# Altium PCB PCB1.PcbDoc
Units mil, origin at the board's own origin, x right, y up, seen from the top; angles counter-clockwise.
Board outline 1640 x 780 mil, 2 copper layers (Top Layer, Bottom Layer); 15 components, 19 nets, 63 pads, 24 vias.
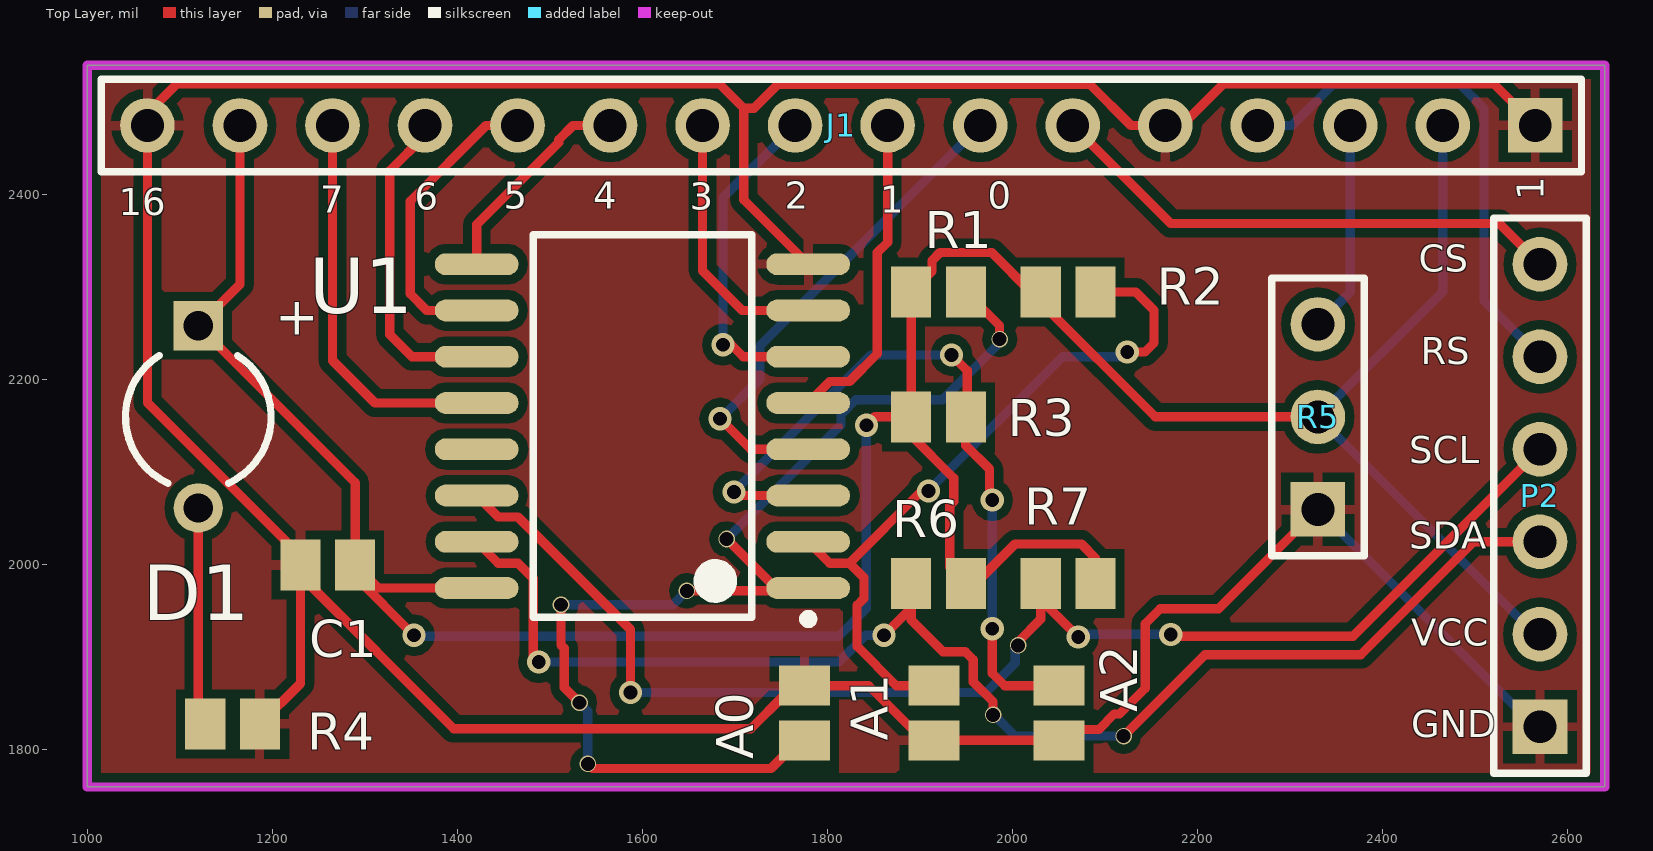
[diagram p0: Top Layer view]
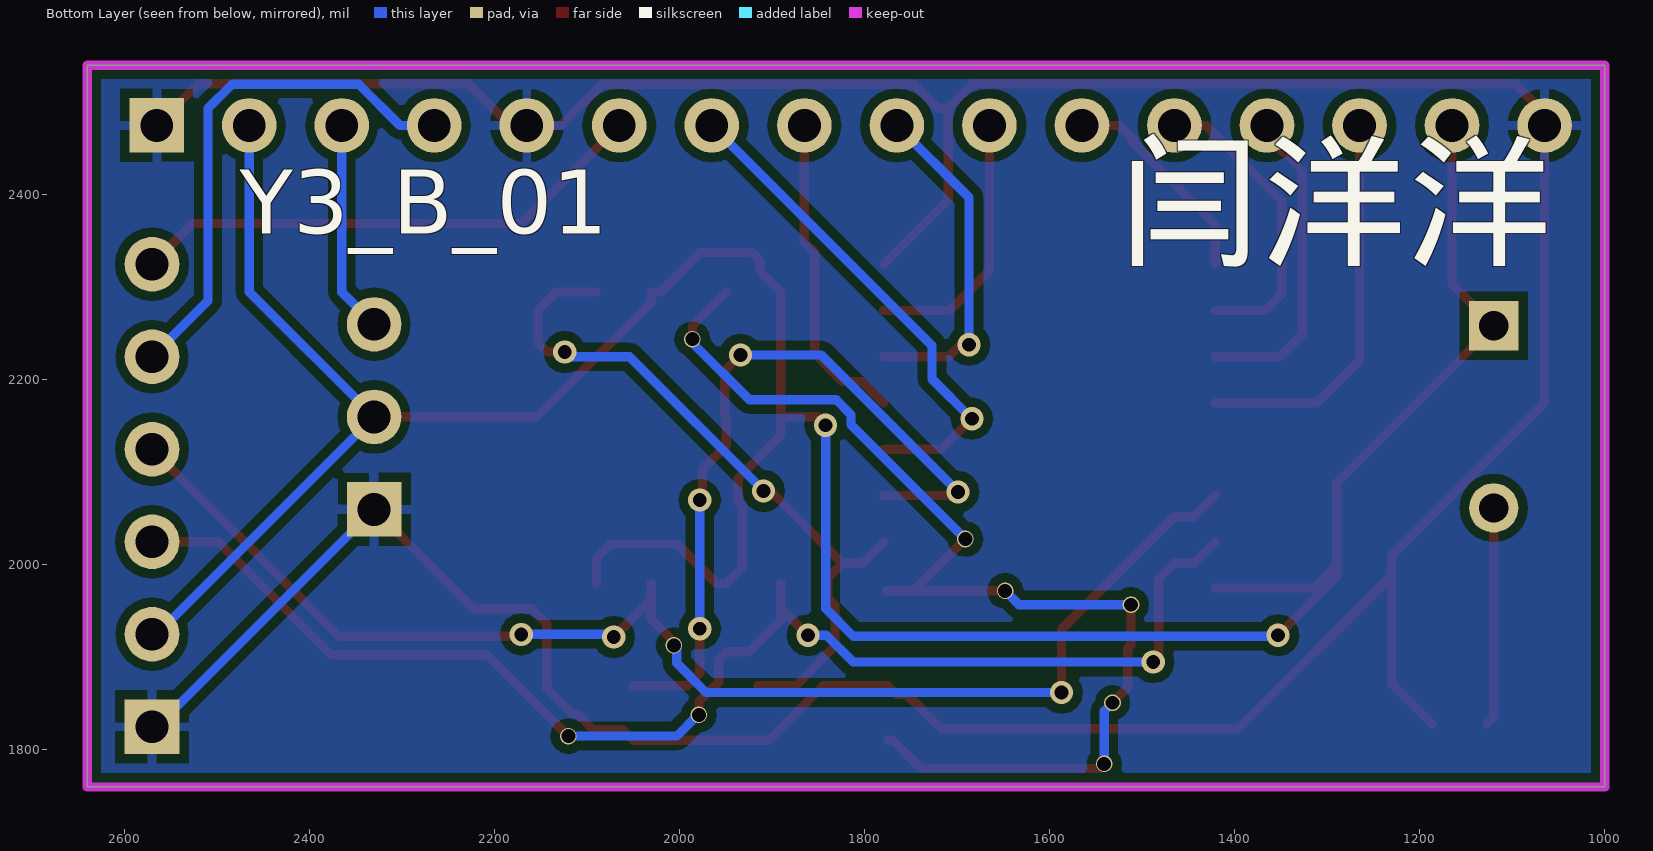
[diagram p1: Bottom Layer view, seen from below]

## Layer stack, top to bottom
Top Layer: signal copper 1.4
Dielectric: dielectric 12.6, FR-4, Dk 4.8
Bottom Layer: signal copper 1.4

## Board outline
1000,2540 2640,2540 2640,1760 1000,1760 1000,2540

## Design rules (kind name [scope] priority, off if disabled: settings)
Clearance [All] p1: gap=10
PolygonConnect [All] p1: connectstyle=Relief reliefconductorwidth=10 reliefentries=4 polygonreliefangle="90 Angle" airgapwidth=10
RoutingVias [All] p1: holewidth=15 width=18 viastyle="Through Hole" minholewidth=15 minwidth=15 maxholewidth=28 maxwidth=50
SilkscreenOverComponentPads [All] p1: minsilkscreentomaskgap=10
SolderMaskExpansion [All] p1: expansion=4
Width [All] p1: maxlimit=10 minlimit=10 preferedwidth=10
27 further rules are at their usual default settings.

## Components (designator, comment, footprint, x,y, rotation, side; value= is the part's Value field where it differs from the comment)
A0 "Res2" C0805 1775,1840 r270 top
A1 "Res2" C0805 1915,1840 r90 top
A2 "Res2" C0805 2050,1840 r90 top
C1 "Cap Semi" C0805 1260,2000 r0 top
D1 "LED0" CAPR5-4X5 1120,2160 r270 top
J1 "LCD1602" HDR1X16 2565,2475 r180 top
P2 "Header 6" HDR1X6 2570,1825 r90 top
R1 "Res2" C0805 1920,2295 r0 top
R2 "Res2" C0805 2060,2295 r0 top
R3 "Res2" C0805 1920,2160 r0 top
R4 "Res2" C0805 1157,1828 r180 top
R5 "RPot" HDR1X3 2330,2060 r90 top
R6 "Res2" C0805 1920,1980 r0 top
R7 "Res2" C0805 2060,1980 r0 top
U1 "PCF8574" PCF8574 1600,2150 r180 top

## Footprints (in the part's own frame and the unit in brackets; to place one, negate y for a bottom-side part, rotate by r counter-clockwise, add the part's x,y. Pads: shape width x height; smd on the part's side, far side on the other; paste and mask are expansions set on the pad)
C0805 [mm] "Chip Capacitor, Body 2.0x1.3mm, IPC High Density"
  rect 1.1x1.4 smd: 1(-0.75,0) 2(0.75,0)
  body extent -1.1,-0.72 1.1,0.72, height 1.4
CAPR5-4X5 [mm] "Capacitor; 2 Leads"
  rect 1.35x1.35 hole 0.8: 1(-2.5,0)
  round 1.35 hole 0.8: 2(2.5,0)
  silkscreen extent -1.69,-2 1.82,2
HDR1X3 [mm] "Connector; Header; 3 Position"
  rect 1.5x1.5 hole 0.9: 1(0,0)
  round 1.5 hole 0.9: 2(2.54,0) 3(5.08,0)
  silkscreen extent -1.27,-1.27 6.35,1.27
HDR1X6 [mm] "Connector; Header; 6 Position"
  rect 1.5x1.5 hole 0.9: 1(0,0)
  round 1.5 hole 0.9: 2(2.54,0) 3(5.08,0) 4(7.62,0) 5(10.16,0) 6(12.7,0)
  silkscreen extent -1.27,-1.27 13.97,1.27
HDR1X16 [mm] "Connector; Header; 16 Position"
  rect 1.5x1.5 hole 0.9: 1(0,0)
  round 1.5 hole 0.9: 2(2.54,0) 3(5.08,0) 4(7.62,0) 5(10.16,0) 6(12.7,0) 7(15.24,0) 8(17.78,0) 9(20.32,0) 10(22.86,0) 11(25.4,0) 12(27.94,0) 13(30.48,0) 14(33.02,0) 15(35.56,0) 16(38.1,0)
  silkscreen extent -1.27,-1.27 39.37,1.27
PCF8574 [mm] "SOIC, 16-Leads, Body 10.5x7.6mm (max), Pitch 1.27mm, IPC Medium Density"
  oval 2.3x0.6 smd: 1(-4.55,4.445) 2(-4.55,3.175) 3(-4.55,1.905) 4(-4.55,0.635) 5(-4.55,-0.635) 6(-4.55,-1.905) 7(-4.55,-3.175) 8(-4.55,-4.445) 9(4.55,-4.445) 10(4.55,-3.175) 11(4.55,-1.905) 12(4.55,-0.635) 13(4.55,0.635) 14(4.55,1.905) 15(4.55,3.175) 16(4.55,4.445)
  silkscreen extent -4.68,-5.25 3,5.42, body extent -3.8,-5.25 3.8,5.25, height 2.65

## Part data
A0 A1 A2 R1 R2 R3 R4 R6 R7: "Resistor"
C1: "Capacitor (Semiconductor SIM Model)"
D1: "Typical INFRARED GaAs LED"
J1: library part Component_2
P2: "Header, 6-Pin"
R5: "Potentiometer"
U1: library part Component_1

## Via types
v1: diameter 25, hole 15, Top Layer to Bottom Layer, tented both sides, 15 vias
v2: diameter 18, hole 15, Top Layer to Bottom Layer, tented both sides, 9 vias

## Nets (pads, with @x,y where several pads share a name; then routed paths per layer and width w, separated by ;. In a path a pad name is that pad's centre, name@x,y a point inside that pad or via, vN(x,y) a via of type N, cw(c..) or ccw(c..) an arc to the next point about the centre after c; other vN are vias at no path point)
A0: A0.2 R1.2 U1.1 | length 1241.5
  Top Layer w10: v2(1512,1957) 1512,1913.39 1515.5,1909.89 1515.5,1867.5 v2(1532,1851) ; v2(1541,1785) 1546,1780 1739,1780 1769.47,1810.47 A0.2 ; v2(1648,1972) U1.1@1747,1972 ; v2(1691,2028) U1.1@1747,1972 ; U1.1@1776.13,1972 U1.1@1747,1972 ; R1.2 1986,2258.53 v2(1986,2244)
  Bottom Layer w10: v2(1512,1957) 1633,1957 v2(1648,1972) ; v2(1532,1851) 1541,1842 v2(1541,1785) ; v2(1691,2028) 1814.5,2151.5 1814.5,2162.39 1830.61,2178.5 1924.39,2178.5 1986,2240.11 v2(1986,2244)
A1: A1.2 R2.2 U1.2 | length 788.9
  Top Layer w10: U1.2 1802.32,2001.81 1823.7,2001.81 ; v1(1909,2080) 1908,2079 1900.89,2079 1823.7,2001.81 ; A1.2 1874.47,1869.53 1832,1912 1832,1956.49 1839.41,1963.89 1839.41,1986.11 1823.7,2001.81 ; R2.2 2133,2295 2153,2275 2153,2240 2143,2230 v1(2124,2230)
  Bottom Layer w10: v1(1909,2080) 2054,2225 2119,2225 v1(2124,2230)
A2: A2.2 R3.2 U1.3 | length 820.9
  Top Layer w10: v1(1699,2079) 1703,2075 U1.3 ; v1(1934,2227) 1951,2210 1951,2161.47 R3.2 1949.53,2129.07 1975,2103.6 1975,2070 v1(1978,2070) ; v1(1978,1931) 1978,1883 1991.47,1869.53 A2.2
  Bottom Layer w10: v1(1699,2079) 1847,2227 v1(1934,2227) ; v1(1978,1931) v1(1978,2070)
CS: J1.6 P2.6 | length 567.1
  Top Layer w10: J1.6 2171,2369 2526,2369 P2.6
DB0: J1.7 U1.4 | length 542.2
  Top Layer w10: v1(1684,2158) 1717,2125 U1.4
  Bottom Layer w10: v1(1684,2158) 1727,2201 1727,2237 J1.7
DB1: J1.8 U1.5 | length 348.1
  Top Layer w10: U1.5 1802.32,2198.19 1823.7,2198.19 1853.82,2228.3 1853.82,2337.56 1865,2348.74 J1.8
DB2: J1.9 U1.6 | length 366.8
  Top Layer w10: v1(1687,2238) 1696,2238 1709,2225 U1.6
  Bottom Layer w10: v1(1687,2238) 1687,2397 J1.9
DB3: J1.10 U1.7 | length 288.9
  Top Layer w10: J1.10 1665,2318 1708,2275 U1.7
DB4: J1.11 U1.9 | length 233.1
  Top Layer w10: U1.9 1420.87,2367.89 1509.53,2456.56 1509.53,2459.53 1525,2475 J1.11
DB5: J1.12 U1.10 | length 329.3
  Top Layer w10: U1.10 1367,2275 1349,2293 1349,2393 1431,2475 J1.12
DB6: J1.13 U1.11 | length 345.5
  Top Layer w10: J1.13 1365,2464 1327,2426 1327,2249 1351,2225 U1.11
DB7: J1.14 U1.12 | length 428.9
  Top Layer w10: J1.14 1265,2221 1311,2175 U1.12
GND: A0.1 A1.1 A2.1 C1.1 J1.1 J1.5 J1.16 P2.1 R4.1 R5.1 U1.8 | length 4239.5
  Top Layer w10: R4.1 1230.47,1871.94 C1.1 ; U1.8 1709.53,2394.61 1709.53,2493.44 ; R5.1 2222.5,1952.5 2159.61,1952.5 2143.5,1936.39 2143.5,1866.78 2115.72,1839 2110.06,1839 2093.06,1822 2061.53,1822 A2.1 A1.1 1903.63,1810.47 1844.57,1869.53 A0.1 1765.47,1860 1754.1,1860 1717.1,1823 1396.1,1823 1230.47,1988.63 C1.1 ; J1.1 2520,2520 2228,2520 2183,2475 J1.5 2127.97,2475 2083.44,2519.53 1746.56,2519.53 1720.47,2493.44 1709.53,2493.44 ; C1.1 1230.47,2009.9 1065,2175.37 J1.16 1065,2488 1097,2520 1682.97,2520 1709.53,2493.44
  Bottom Layer w10: R5.1 2565,1825 P2.1
NetD1_2: D1.2 R4.2 | length 236.7
  Top Layer w10: D1.2 1120,1835.47 R4.2
RS: J1.4 P2.5 | length 567.3
  Bottom Layer w10: J1.4 2302.03,2475 2346.56,2519.53 2483.44,2519.53 2509.53,2493.44 2509.53,2285.47 P2.5
SCL: P2.4 R7.1 U1.14 | length 1464.2
  Top Layer w10: U1.14 1444.06,2051.81 1465.44,2051.81 1587,1930.25 v1(1587,1862) ; v2(2006,1913) 2006,1917 2030.47,1941.47 R7.1@2030.47,1962.53 ; R7.1 R7.1@2030.47,1962.53 ; v1(2071,1922) R7.1@2030.47,1962.53 ; v1(2171,1925) 2171,1923 2368,1923 P2.4
  Bottom Layer w10: v1(1587,1862) 1971,1862 2003,1894 2003,1910 v2(2006,1913) ; v1(2071,1922) 2074,1925 v1(2171,1925)
SDA: P2.3 R6.1 U1.15 | length 1477.2
  Top Layer w10: U1.15 1444.06,2001.81 1465.44,2001.81 1482,1985.25 1482,1901 v1(1488,1895) ; v1(1861,1924) R6.1@1890.47,1953.47 ; R6.1 R6.1@1890.47,1953.47 ; v2(1979,1838) 1979,1852 1957.56,1873.44 1957.56,1897.39 1948.77,1906.18 1924.82,1906.18 1890.47,1940.53 R6.1@1890.47,1953.47 ; v2(2120,1815) 2208,1903 2376.28,1903 2498.28,2025 P2.3
  Bottom Layer w10: v1(1488,1895) 1812.28,1895 1841.28,1924 v1(1861,1924) ; v2(1979,1838) 1980,1838 2003,1815 v2(2120,1815)
VCC: C1.2 D1.1 J1.2 J1.15 P2.2 R1.1 R2.1 R3.1 R5.2 R6.2 R7.2 U1.16 | length 3346.7
  Top Layer w10: J1.15 1165,2303.43 D1.1 1289.53,2088.9 C1.2 ; v1(1353,1924) 1289.53,1987.47 C1.2 ; U1.16 1314.53,1975 C1.2 ; v1(1842,2151) 1851,2160 R3.1 ; R7.2 2089.53,2007.47 2074.44,2022.56 2002.61,2022.56 1960.05,1980 R6.2 1932,1997.53 1932,2064.11 1936.5,2068.61 1936.5,2093.82 1890.47,2139.84 R3.1 ; R5.2 2154.1,2160 2030.47,2283.63 R2.1 2019.95,2295 1977.39,2337.56 1921.66,2337.56 1912.87,2328.77 1912.87,2317.4 R1.1 R3.1
  Bottom Layer w10: v1(1353,1924) 1357,1924 1358,1923 1812,1923 1842,1953 v1(1842,2151) ; J1.2 2465,2295 R5.2 2565,1925 P2.2
VO: J1.3 R5.3 | length 229.5
  Bottom Layer w10: R5.3 2365,2295 J1.3
pads on no net: U1.13

## Polygon pours and split planes (outlines as drawn)
GND on Top Layer "Top Layer-No Net" (solid, pour order 4): 1007,2528 1010,2531 2637,2531 2637,1767 2635,1765 1007,1765 1007,2533
GND on Bottom Layer "Top Layer-No Net" (solid, pour order 6): 1011,2532 2624,2532 2628,2536 2628,1766 1011,1766 1014,1769 1014,2532

## Keep-outs
Keep-Out Layer:
  the board outline again, w10

## Silkscreen, mask and mechanical layers (free items; w line width, h text height)
Top Overlay:
  text "1" at 2584,2394 h50 r90
  text "5" at 1450,2375 h50
  text "4" at 1547,2375 h50
  text "2" at 1754,2375 h50
  text "0" at 1973,2375 h50
  text "6" at 1354,2374 h50
  text "3" at 1651,2374 h50
  text "7" at 1252,2371 h50
  text "1" at 1857,2371 h50
  text "16" at 1034,2368 h50
  text "CS" at 2439,2307 h50
  text "+" at 1203,2235 h70
  text "RS" at 2441,2207 h50
  text "SCL" at 2429,2100 h50
  text "SDA" at 2429,2008 h50
  text "VCC" at 2431,1903 h50
  text "GND" at 2431,1804 h50
Bottom Overlay:
  text "Y3_B_01" at 2475,2335 h118.11
  text "闫洋洋" at 1527,2299 h196.85